# Altium PCB ECUv2.PcbDoc
Units mil, origin at the board's own origin, x right, y up, seen from the top; angles counter-clockwise.
Board outline 2080 x 3850 mil, 2 copper layers (Top Layer, Bottom Layer); 73 components, 40 nets, 209 pads, 30 vias.
Unrouted connection lines stored in the file: 3.
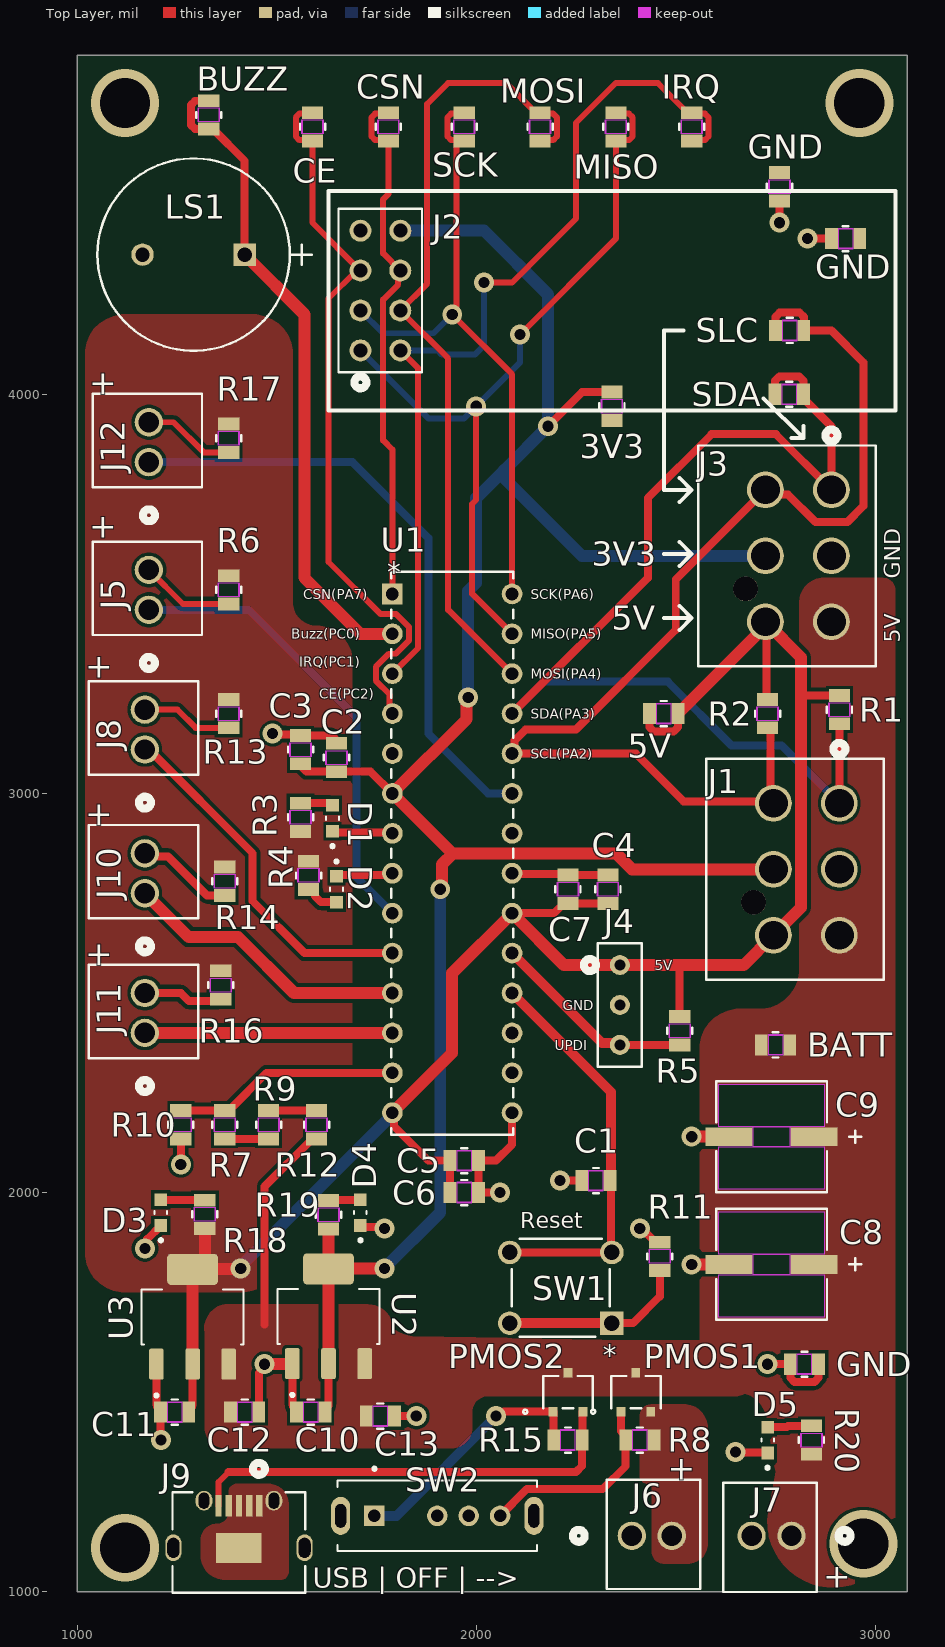
[diagram p0: Top Layer view]
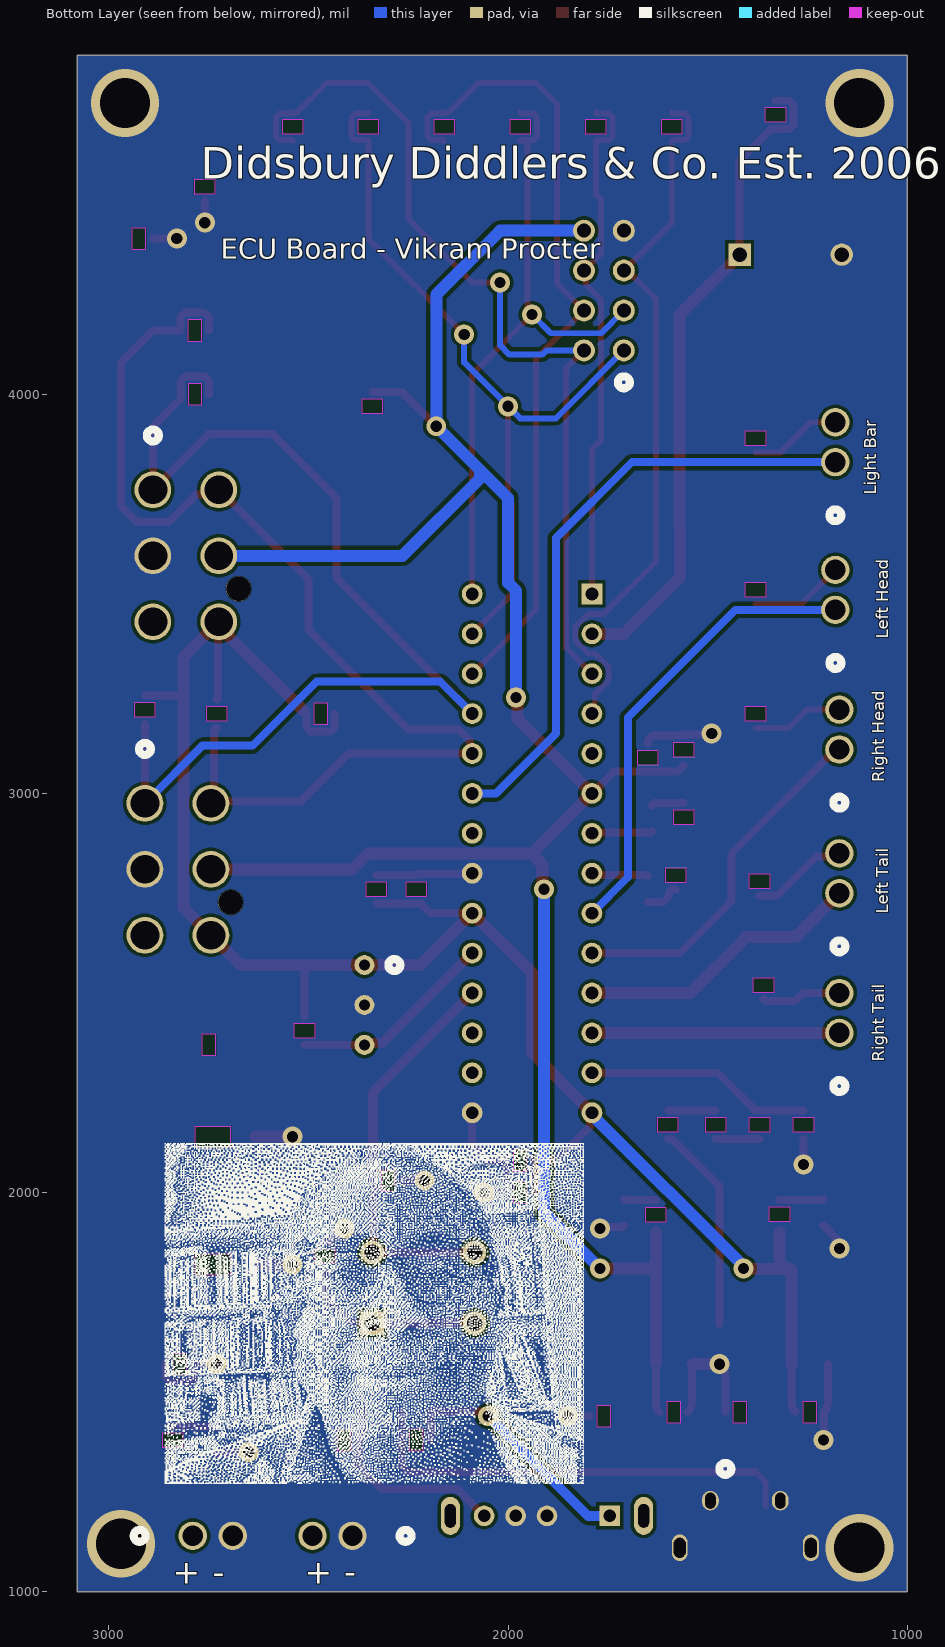
[diagram p1: Bottom Layer view, seen from below]
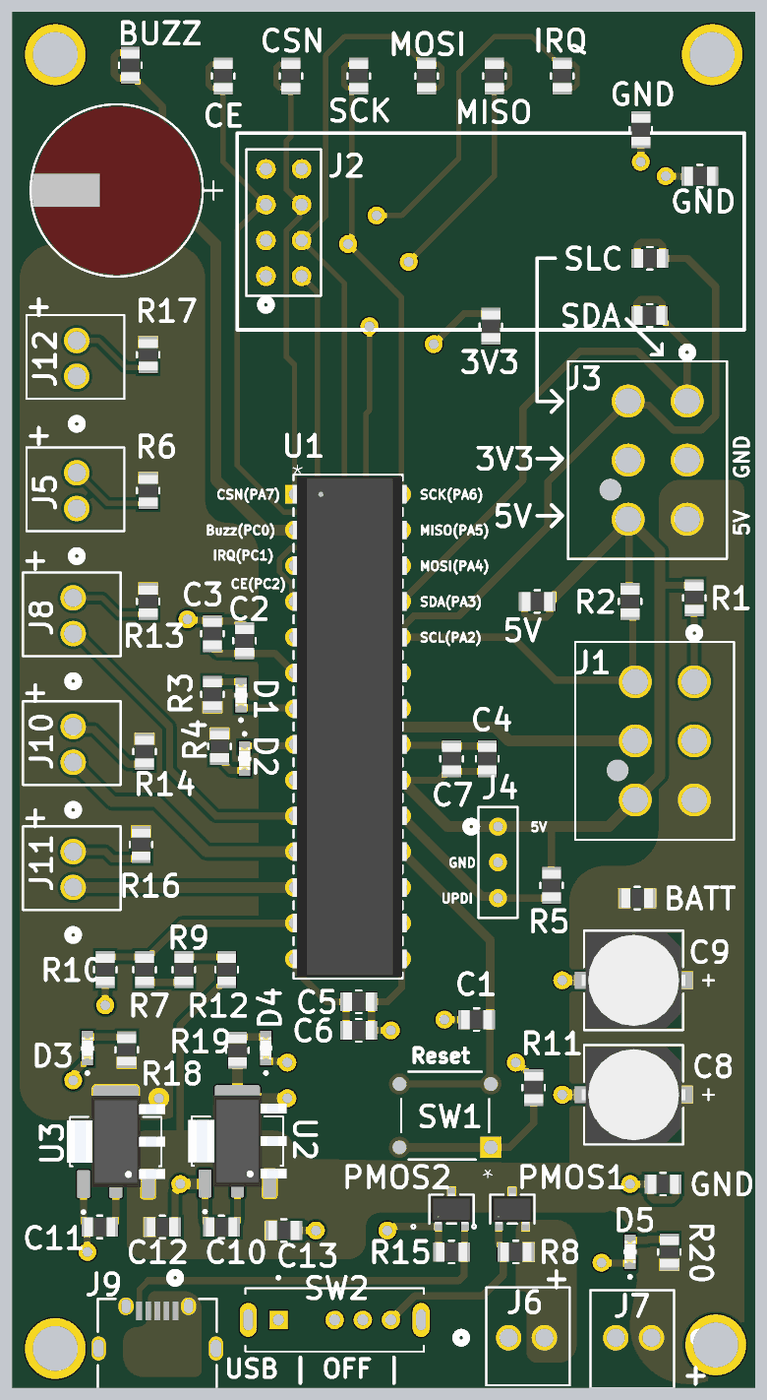
[diagram p2: 3D render of the assembled board from above, using the file's embedded part models]

## Layer stack, top to bottom
Top Solder: solder mask 0.4, Solder Resist, Dk 3.5
Top Layer: signal copper 1.4
Dielectric 1: dielectric 12.6, FR-4, Dk 4.8
Bottom Layer: signal copper 1.4
Bottom Solder: solder mask 0.4, Solder Resist, Dk 3.5

## Board outline
1000,1000 3080,1000 3080,4850 1000,4850

## Design rules (kind name [scope] priority, off if disabled: settings)
Clearance [All] p1: gap=8 ignorepadtopadclearanceinfootprint=TRUE except(1: Arc-Text Track-Text SMDPad-Via SMDPad-Fill SMDPad-Region SMDPad-Text SMDPad-Hole THPad-Text THPad-Hole Via-Text Fill-Fill Fill-Poly Fill-Region Fill-Text Fill-Hole Poly-Poly Poly-Region Poly-Text Poly-Hole Region-Region Region-Text Region-Hole Text-Text Text-Hole; 10: Arc-Poly Track-Poly)
PlaneConnect [All] p1: planeconnectstyle=Direct reliefexpansion=20 reliefentries=4 reliefconductorwidth=10 reliefairgap=10
PolygonConnect [All] p1: connectstyle=Direct reliefconductorwidth=10 reliefentries=4 polygonreliefangle="90 Angle" airgapwidth=10
RoutingVias [All] p1: holewidth=28 width=50 viastyle="Through Hole" minholewidth=28 minwidth=50 maxholewidth=28 maxwidth=50
SilkToSolderMaskClearance [IsPad] p1: minsilkscreentomaskgap=1 clearancetoexposedcopper=FALSE
SolderMaskExpansion [All] p1: expansion=4 istentingtop=FALSE
SupplyNets "Schematic Supply Nets_5" [InNet('Vbatt')] p1: voltage=0.000
SupplyNets "Schematic Supply Nets_4" [InNet('GND')] p2: voltage=0.000
SupplyNets "Schematic Supply Nets_3" [InNet('5V')] p3: voltage=0.000
SupplyNets "Schematic Supply Nets_2" [InNet('3V3')] p4: voltage=0.000
Width [All] p1: maxlimit=100 minlimit=10 preferedwidth=15
28 further rules are at their usual default settings.

## Components (designator, comment, footprint, x,y, rotation, side; value= is the part's Value field where it differs from the comment)
3V3 "TP" "RES 0805" 2340,3970 r90 top value=0R (schematic designator TP8)
5V "TP" "RES 0805" 2470,3200 r180 top value=0R (schematic designator TP5)
BATT "TP" "RES 0805" 2750,2370 r180 top value=0R (schematic designator TP2)
BUZZ "TP" "RES 0805" 1330,4700 r270 top value=0R (schematic designator TP15)
C1 "1uF" "RES 0805" 2300,2030 r180 top
C2 "1uF" "RES 0805" 1650,3090 r270 top
C3 "0.1uF" "RES 0805" 1560,3110 r270 top value=100nF
C4 "1uF" "RES 0805" 2330,2760 r270 top
C5 "1uF" "RES 0805" 1970,2080 r0 top
C6 "0.1uF" "RES 0805" 1970,2000 r180 top value=100nF
C7 "0.1uF" "RES 0805" 2230,2760 r270 top value=100nF
C8 "47uF" "CAP ELC 47uF" 2740,1820 r180 top
C9 "47uF" "CAP ELC 47uF" 2740,2140 r180 top
C10 "4.7uF" "RES 0805" 1585.5,1450 r0 top
C11 "4.7uF" "RES 0805" 1244.5,1450 r0 top
C12 "1uF" "RES 0805" 1420,1450 r180 top
C13 "1uF" "RES 0805" 1760,1440 r180 top
CE "TP" "RES 0805" 1590,4670 r270 top value=0R (schematic designator TP7)
CSN "TP" "RES 0805" 1780,4670 r90 top value=0R (schematic designator TP14)
D1 "red" 0603LED 1640,2937.5 r90 top
D2 "green" 0603LED 1650,2760 r270 top
D3 "green" 0603LED 1210,1950 r90 top
D4 "green" 0603LED 1710,1950 r90 top
D5 "green" 0603LED 2730,1380 r90 top
GND "TP" "RES 0805" 2925.5,4390 r180 top value=0R (schematic designator TP9)
GND "TP" "RES 0805" 2822.5,1570 r180 top value=0R (schematic designator TP6)
GND "TP" "RES 0805" 2760,4520 r90 top value=0R (schematic designator TP3)
IRQ "TP" "RES 0805" 2540,4670 r90 top value=0R (schematic designator TP10)
J1 "Molex2125201006" Molex2125201006 2910,2975.35 r90 top
J2 "8pos215307-4" 215307-4 1710,4110 r90 top
J3 "Molex2125201006" Molex2125201006 2890,3760.71 r90 top
J4 "2.54mm" "HEAD 2.54mm 3pos" 2360,2470 r270 top
J5 "2.54mm" "CON screw 2pos 2.54mm" 1180,3460 r90 top
J6 "2.54mm" "CON screw 2pos 2.54mm" 2390,1140 r0 top
J7 "2.54mm" "CON screw 2pos 2.54mm" 2790,1140 r180 top
J8 "2.54mm" "CON screw 2pos 2.54mm" 1170,3110 r90 top
J9 "micro ab" "USB micro ab 0475900001" 1405.63,1307.77 r0 top
J10 "2.54mm" "CON screw 2pos 2.54mm" 1170,2750 r90 top
J11 "2.54mm" "CON screw 2pos 2.54mm" 1170,2400 r90 top
J12 "2.54mm" "CON screw 2pos 2.54mm" 1180,3830 r90 top
LS1 "BuzzerCEM-120342" CEM-1203(42) 1420,4350 r180 top
MISO "TP" "RES 0805" 2350,4670 r90 top value=0R (schematic designator TP1)
MOSI "TP" "RES 0805" 2160,4670 r90 top value=0R (schematic designator TP12)
PMOS1 "6A" "SOT-23F MOS PMOS 30V 6A" 2400,1500 r0 top
PMOS2 "6A" "SOT-23F MOS PMOS 30V 6A" 2230,1500 r0 top
R1 "3.9k" "RES 0805" 2910,3210 r90 top value=3.92kR
R2 "3.9k" "RES 0805" 2730,3200 r90 top value=3.92kR
R3 "150" "RES 0805" 1560,2940 r90 top value=150R
R4 "150" "RES 0805" 1580,2794.5 r270 top value=150R
R5 "1.4k" "RES 0805" 2510,2405.5 r90 top value=1.4kR
R6 "150" "RES 0805" 1380,3510 r90 top value=150R
R7 "3.9k" "RES 0805" 1370,2170 r90 top value=3.92kR
R8 "10k" "RES 0805" 2410,1380 r180 top value=10kR
R9 "18.7k" "RES 0805" 1480,2170 r90 top value=18.7kR
R10 "41.2K" "RES 0805" 1260,2170 r90 top value=41.2kR
R11 "330" "RES 0805" 2460,1840 r90 top value=330R
R12 "41.2K" "RES 0805" 1600,2170 r270 top value=41.2kR
R13 "150" "RES 0805" 1380,3200 r90 top value=150R
R14 "150" "RES 0805" 1370,2780 r90 top value=150R
R15 "10k" "RES 0805" 2230,1380 r180 top value=10kR
R16 "150" "RES 0805" 1360,2520 r90 top value=150R
R17 "150" "RES 0805" 1380,3890 r90 top value=150R
R18 "150" "RES 0805" 1320,1945.5 r90 top value=150R
R19 "150" "RES 0805" 1630,1944.5 r90 top value=150R
R20 "1.4k" "RES 0805" 2840,1380 r90 top value=1.4kR
SCK "TP" "RES 0805" 1970,4670 r90 top value=0R (schematic designator TP4)
SDA "TP" "RES 0805" 2784.5,4000 r180 top value=0R (schematic designator TP11)
SLC "TP" "RES 0805" 2785.5,4160 r0 top value=0R (schematic designator TP13)
SW1 "Button1825910-6" Button1825910-6 2084.09,1850 r180 top
SW2 "300mA" "Switch On-On-On 300mA SLW-1277545-2A-RA-S-D" 1902.52,1190 r0 top
U1 "AVR128DB28-I/SP" AVR128DB28-ISP 1790,3500 r0 top
U2 "LDL1117S33R" SOT230P700X180-4N 1630,1690 r90 top
U3 "LDL1117S50R" SOT230P700X180-4N 1289.45,1688.7 r90 top

## Footprints (in the part's own frame and the unit in brackets; to place one, negate y for a bottom-side part, rotate by r counter-clockwise, add the part's x,y. Pads: shape width x height; smd on the part's side, far side on the other; paste and mask are expansions set on the pad)
0603LED [mm]
  rect 0.8x0.8 smd: A(0.825,0) C(-0.825,0)
  silkscreen extent -1.86,-0.4 0.11,0.4, body extent -0.8,-0.4 0.8,0.4, height 0.55
215307-4 [mil]
  round 55 / inner round 60 / far side round 55 hole 35 paste-99999 mask+2: 1(0,0) 2(100,0) 3(200,0) 4(300,0) 5(300,-100) 6(200,-100) 7(100,-100) 8(0,-100)
  silkscreen extent -95,-154 355,55
AVR128DB28-ISP [mil]
  rect 52x52 / inner round 60 / far side rect 52x52 hole 32 paste-99999 mask+0: 1(0,0)
  round 52 / inner round 60 / far side round 52 hole 32 paste-99999 mask+0: 2(0,-100) 3(0,-200) 4(0,-300) 5(0,-400) 6(0,-500) 7(0,-600) 8(0,-700) 9(0,-800) 10(0,-900) 11(0,-1000) 12(0,-1100) 13(0,-1200) 14(0,-1300) 15(300,-1300) 16(300,-1200) 17(300,-1100) 18(300,-1000) 19(300,-900) 20(300,-800) 21(300,-700) 22(300,-600) 23(300,-500) 24(300,-400) 25(300,-300) 26(300,-200) 27(300,-100) 28(300,0)
  silkscreen extent -2,-1355 302,55, body extent -5,-1350 314,50, height 205
Button1825910-6 [mil]
  rect 59x59 / inner round 60 / far side rect 59x59 hole 39 paste-99999 mask+0: 1(-255.91,177.17)
  round 59 / inner round 60 / far side round 59 hole 39 paste-99999 mask-29.5: 2(0,177.17) 3(-255.91,0) 4(0,0)
  silkscreen extent -251,-34 -5,212
"CAP ELC 47uF" [mil] "UWT1H470MCL1GS"
  rect 118x47 smd paste+0 mask+2: 1(-106.5,0) 2(106.5,0)
  Top Layer keep-out region: -45.5,-25.5 -45.5,25.5 45.5,25.5 45.5,-25.5
  Top Layer keep-out region: -132,-132 -132,-25.5 132,-25.5 132,-132
  Top Layer keep-out region: -132,25.5 -132,132 132,132 132,25.5
  Keep-Out Layer region: -45.5,-25.5 -45.5,25.5 45.5,25.5 45.5,-25.5
  silkscreen extent -224,-139 139,139, body extent -146,-134 146,134, height 317
CEM-1203(42) [mil]
  rect 56x56 / inner round 60 / far side rect 56x56 hole 36 paste-99999 mask+4: 1(0,0)
  round 56 / inner round 60 / far side round 56 hole 36 paste-99999 mask+4: 2(255.91,0)
  silkscreen extent -168,-241 369,241, body extent -108,-236 365,236, height 336
"CON screw 2pos 2.54mm" [mil]
  round 71 / inner round 60 / far side round 71 hole 51 paste-99999 mask+0: 1(0,0) 2(100,0)
  silkscreen extent -148,-133 171,141
"HEAD 2.54mm 3pos" [mil]
  round 50 / inner round 60 / far side round 50 hole 28 paste-99999 mask+0: 1(-100,0) 2(0,0) 3(100,0)
  silkscreen extent -155,-90 155,55
Molex2125201006 [mil]
  round 92 / inner round 60 / far side round 92 hole 72 paste-99999 mask+0: 1(0,0) 2(-165.35,0) 3(-330.71,0) 4(0,165.35) 5(-165.35,165.35) 6(-330.71,165.35)
  round 62 / inner round 60 / far side round 62 hole 62 unplated paste-99999 mask-31: 7(-248.03,214.96)
  silkscreen extent -442,-111 151,334
"RES 0805" [mil]
  rect 32x53 smd paste+0 mask+2: 1(-35.5,0) 2(35.5,0)
  Top Layer keep-out region: -17.5,-24.5 -17.5,24.5 17.5,24.5 17.5,-24.5
  Keep-Out Layer region: -17.5,-26.5 -17.5,26.5 17.5,26.5 17.5,-26.5
  silkscreen extent -7,-32 7,32, body extent -44,-26 44,26, height 26
SOT230P700X180-4N [mm]
  rrect25% 1.98x0.93 smd: 1(-3.015,2.3) 2(-3.015,0) 3(-3.015,-2.3)
  rrect25% 1.98x3.23 smd: 4(3.015,0)
  silkscreen extent -5.1,-3.25 1.75,3.25, body extent -3.25,-3.5 3.25,3.5, height 1.8
"SOT-23F MOS PMOS 30V 6A" [mil]
  rect 22x24 smd paste+0 mask+2: 1(-37.4,-49) 2(37.4,-49) 3(0,49)
  silkscreen extent -112,-54 62,40, body extent -57,-43 57,43, height 37
"Switch On-On-On 300mA SLW-1277545-2A-RA-S-D" [mm]
  rect 1.308x1.308 / inner round 1.308 / far side rect 1.308x1.308 hole 0.8: 1(-4,0)
  round 1.308 hole 0.8: 2(0,0) 3(2,0) 4(4,0)
  oval 1.208x2.416 hole 0.7 slot 1.5 at 90 deg: SH1(-6.15,0) SH2(6.15,0)
  silkscreen extent -6.35,-2.25 6.35,3.1
"USB micro ab 0475900001" [mil]
  rect 16x53 smd paste+0 mask+0: 1(51.18,-92.46) 2(25.59,-92.46) 3(0,-92.46) 4(-25.59,-92.46) 5(-51.18,-92.46)
  oval 42x49 / inner round 60 / far side oval 42x49 hole 26 slot 40 at 90 deg paste-99999 mask+0: 6(-87.6,-79.66) 7(87.6,-79.66)
  oval 40x67 / inner round 60 / far side oval 40x67 hole 30 slot 50 at 90 deg paste-99999 mask+0: 8(-164.37,-197.77) 9(164.37,-197.77)
  rect 114x75 smd paste-57 mask-57: 10(0,-197.77)
  silkscreen extent -166,-311 166,15

## Part data
3V3 5V BATT BUZZ CE CSN GND GND GND IRQ MISO MOSI SCK SDA SLC: library part "TP clip 0805 RCTCTE", "Testing/Accessories", Case/Package=0805, Manufacturer="KOA Speer", Manufacturer Part Number=RCTCTE, Max Operating Temperature=125°C, Min Operating Temperature=-55°C, Package Height=1.45mm, Package Length=2mm, Package Shape=Rectangular, Package Width=1.25mm, Rated Temperature=70°C, Resistor Type="FIXED RESISTOR", Supplier Part Number=2019-RCTCTECT-ND, Category="Chip SMD Resistors", ComponentLink1Description=https://datasheet.ciiva.com:443/pdfs/VipMasterIC/IC/KOAS/KOASS03065/KOASS03065-1.pdf?src-supplier=IHS+Markit, ComponentLink1URL=https://datasheet.ciiva.com:443/pdfs/VipMasterIC/IC/KOAS/KOASS03065/KOASS03065-1.pdf?src-supplier=IHS+Markit, ComponentLink2Description=https://datasheet.ciiva.com/5562/rc-5562502.pdf?src-supplier=Mouser, ComponentLink2URL=https://datasheet.ciiva.com/5562/rc-5562502.pdf?src-supplier=Mouser, Construction=Chip, JESD-609 Code=e2, Mounting Technology="Surface Mount", Packaging="Tape and Reel", Pins=2, Pricing="1=0.14, 10=0.111, 25=0.1024, 50=0.096, 100=0.0904, 250=0.08328, 500=0.0783, 1000=0.07363 (USD)", Reach SVHC Compliant=Yes, Reference Standard=AEC-Q200, RoHS=Yes, RoHS Compliant=Yes, Stock=45761, Supplier=Digikey, Terminal Finish=Copper, Termination=Wraparound
C1 C2 C4 C5 C12 C13: library part "CAP CER 1uF 10% 50V 0805", "Ceramic Capacitor, Multilayer, Ceramic, 50V, 10% +Tol, 10% -Tol, X7R, 15% TC, 1uF, Surface Mount, 0805", Capacitor Type=Ceramic, Case/Package=0805, Manufacturer=Samsung, Manufacturer Part Number=CL21B105KBFNNNE, Max Operating Temperature=125°C, Min Operating Temperature=-55°C, Package Shape=Rectangular, Package Style=SMTMeter, Rated DC Voltage (URdc)=50V, Supplier Part Number=1276-1029-1-ND, Temperature Characteristics Code=X7R, Tolerance  (fill in as +-)=10%, Category="Ceramic Capacitors", ComponentLink1Description=https://datasheet.ciiva.com:443/pdfs/VipMasterIC/IC/SEMS/SEMS-S-A0008524728/SEMS-S-A0008523023-1.pdf?src-supplier=IHS+Markit, ComponentLink1URL=https://datasheet.ciiva.com:443/pdfs/VipMasterIC/IC/SEMS/SEMS-S-A0008524728/SEMS-S-A0008523023-1.pdf?src-supplier=IHS+Markit, ComponentLink2Description=https://datasheet.ciiva.com/25800/cl21b105kbfnnne-25800291.pdf?src-supplier=Digikey, ComponentLink2URL=https://datasheet.ciiva.com/25800/cl21b105kbfnnne-25800291.pdf?src-supplier=Digikey, ComponentLink3Description=https://datasheet.ciiva.com/16449/cl21b105kbfnnne-16449003.pdf?src-supplier=Future+Electronics, ComponentLink3URL=https://datasheet.ciiva.com/16449/cl21b105kbfnnne-16449003.pdf?src-supplier=Future+Electronics, Dielectric Material=Ceramic, Height=1.35mm, JESD-609 Code=e3, Length=2mm, Mounting Technology="Surface Mount", Multilayer=Yes, Packaging="Tape and Reel", Pins=2, Pricing="1=0.1, 10=0.051, 100=0.0321, 1000=0.02181 (USD)", Reach SVHC Compliant=Yes, RoHS=Yes, RoHS Compliant=Yes, Stock=572828, Supplier=Digikey, Terminal Finish=Nickel, Termination=Wraparound, Tolerance (fill in as +-)=10%, Width=1.25mm
C3 C6 C7: library part "CAP CER 0.1uF 10% 50V 0805", "Ceramic Capacitor, Multilayer, Ceramic, 50V, 10% +Tol, 10% -Tol, X7R, 15% TC, 0.1uF, Surface Mount, 0805", Capacitor Type=Ceramic, Case/Package=0805, Manufacturer=Yageo, Manufacturer Part Number=CC0805KRX7R9BB104, Max Operating Temperature=125°C, Min Operating Temperature=-55°C, Package Shape=Rectangular, Package Style=SMTMeter, Rated DC Voltage (URdc)=50V, Supplier Part Number=311-1140-1-ND, Temperature Characteristics Code=X7R, Tolerance  (fill in as +-)=10%, Category="Ceramic Capacitors", ComponentLink1Description=https://datasheet.ciiva.com:443/pdfs/VipMasterIC/IC/YAGO/YAGO-S-A0003557223/YAGO-S-A0003557223-1.pdf?src-supplier=IHS+Markit, ComponentLink1URL=https://datasheet.ciiva.com:443/pdfs/VipMasterIC/IC/YAGO/YAGO-S-A0003557223/YAGO-S-A0003557223-1.pdf?src-supplier=IHS+Markit, ComponentLink2Description=https://datasheet.ciiva.com/11786/0900766b80d84f1d-11786009.pdf?src-supplier=Rs, ComponentLink2URL=https://datasheet.ciiva.com/11786/0900766b80d84f1d-11786009.pdf?src-supplier=Rs, ComponentLink3Description=https://datasheet.ciiva.com/155/mlccorderingcode-155929.pdf?src-supplier=Digikey, ComponentLink3URL=https://datasheet.ciiva.com/155/mlccorderingcode-155929.pdf?src-supplier=Digikey, ComponentLink4Description=https://datasheet.ciiva.com/155/mlccorderingcode-155930.pdf?src-supplier=Digikey, ComponentLink4URL=https://datasheet.ciiva.com/155/mlccorderingcode-155930.pdf?src-supplier=Digikey, ComponentLink5Description=https://datasheet.ciiva.com/155/mlccorderingcode-155931.pdf?src-supplier=Digikey, ComponentLink5URL=https://datasheet.ciiva.com/155/mlccorderingcode-155931.pdf?src-supplier=Digikey, ComponentLink6Description=https://datasheet.ciiva.com/46393/1734573-46393307.pdf?src-supplier=Element14, ComponentLink6URL=https://datasheet.ciiva.com/46393/1734573-46393307.pdf?src-supplier=Element14, ComponentLink7Description=https://datasheet.ciiva.com/28450/1489800-28450805.pdf?src-supplier=Element14, ComponentLink7URL=https://datasheet.ciiva.com/28450/1489800-28450805.pdf?src-supplier=Element14, ComponentLink8Description=https://datasheet.ciiva.com/11464/upy-gphc-x7r-6-3v-to-50v-8-11464757.pdf?src-supplier=Avnet, ComponentLink8URL=https://datasheet.ciiva.com/11464/upy-gphc-x7r-6-3v-to-50v-8-11464757.pdf?src-supplier=Avnet, ComponentLink9Description=https://datasheet.ciiva.com/29242/445210-da-01-en-kerko-chip-0805-x7r-0-1uf-10proz-50vg-29242074.pdf?src-supplier=Conrad, ComponentLink9URL=https://datasheet.ciiva.com/29242/445210-da-01-en-kerko-chip-0805-x7r-0-1uf-10proz-50vg-29242074.pdf?src-supplier=Conrad, Dielectric Material=Ceramic, Height=0.85mm, JESD-609 Code=e3, Length=2mm, Mounting Technology="Surface Mount", Multilayer=Yes, Packaging="Tape and Reel", Pins=2, Pricing="1=0.08, 10=0.021, 100=0.0152, 1000=0.0144, 4000=0.0112, 8000=0.0104, 12000=0.01, 20000=0.00985 (USD)", Reach SVHC Compliant=Yes, RoHS=Yes, RoHS Compliant=Yes, Stock=3691132, Supplier=Digikey, Terminal Finish=Nickel, Termination=Wraparound, Tolerance (fill in as +-)=10%, Width=1.25mm
C8 C9: library part "CAP ELCALUM 47uF 20% 50V", "Aluminum Electrolytic Capacitor, Polarized, Aluminum (wet), 50V, 20% +Tol, 20% -Tol, 47uF, Surface Mount, 2626", Capacitor Type=Aluminium, Case/Package=2626, Leakage Current=23.5uA, Manufacturer=Nichicon, Manufacturer Part Number=UWT1H470MCL1GS, Max Operating Temperature=105°C, Min Operating Temperature=-55°C, Package Shape=Cylindrical, Package Style=SMTMeter, Rated DC Voltage (URdc)=50V, Ripple Current=63mA, Supplier Part Number=493-2225-1-ND, Tolerance  (fill in as +-)=20%, Category="Aluminum Electrolytic Capacitors", ComponentLink1Description=https://datasheet.ciiva.com:443/pdfs/VipMasterIC/IC/NICH/NICH-S-A0009252174/NICH-S-A0009252174-1.pdf?src-supplier=IHS+Markit, ComponentLink1URL=https://datasheet.ciiva.com:443/pdfs/VipMasterIC/IC/NICH/NICH-S-A0009252174/NICH-S-A0009252174-1.pdf?src-supplier=IHS+Markit, ComponentLink2Description=https://datasheet.ciiva.com/11777/0900766b80649b51-11777944.pdf?src-supplier=Rs, ComponentLink2URL=https://datasheet.ciiva.com/11777/0900766b80649b51-11777944.pdf?src-supplier=Rs, ComponentLink3Description=https://datasheet.ciiva.com/30522/getdatasheetpartid-450029-30522236.pdf?src-supplier=Verical, ComponentLink3URL=https://datasheet.ciiva.com/30522/getdatasheetpartid-450029-30522236.pdf?src-supplier=Verical, ComponentLink4Description=https://datasheet.ciiva.com/96/e-wt-96728.pdf?src-supplier=Digikey, ComponentLink4URL=https://datasheet.ciiva.com/96/e-wt-96728.pdf?src-supplier=Digikey, ComponentLink5Description=https://datasheet.ciiva.com/96/e-wt-96729.pdf?src-supplier=Digikey, ComponentLink5URL=https://datasheet.ciiva.com/96/e-wt-96729.pdf?src-supplier=Digikey, ComponentLink6Description=https://datasheet.ciiva.com/96/e-wt-96730.pdf?src-supplier=Digikey, ComponentLink6URL=https://datasheet.ciiva.com/96/e-wt-96730.pdf?src-supplier=Digikey, ComponentLink7Description=https://datasheet.ciiva.com/11687/e-wt-11687610.pdf?src-supplier=Avnet, ComponentLink7URL=https://datasheet.ciiva.com/11687/e-wt-11687610.pdf?src-supplier=Avnet, ComponentLink8Description=https://datasheet.ciiva.com/16512/e-wt-16512663.pdf?src-supplier=Future+Electronics, ComponentLink8URL=https://datasheet.ciiva.com/16512/e-wt-16512663.pdf?src-supplier=Future+Electronics, Dielectric Material=Aluminium, Height=7.7mm, JESD-609 Code=e6, Length=7mm, Mounting Technology="Surface Mount", Packaging="Tape and Reel", Pins=2, Polarity=Polarized, Pricing="1=0.42, 10=0.258, 50=0.1948, 100=0.1747 (USD)", Reach SVHC Compliant=No, RoHS=Yes, RoHS Compliant=Yes, Stock=52254, Supplier=Digikey, Tan Delta=0.14, Terminal Finish=Tin, Termination="One Surface", Tolerance (fill in as +-)=20%, Width=6.6mm
C10 C11: library part "CAP CER 4.7uF 10% 25V 0805", "Ceramic Capacitor, Multilayer, Ceramic, 25V, 10% +Tol, 10% -Tol, X5R, 15% TC, 4.7uF, Surface Mount, 0805", Capacitor Type=Ceramic, Case/Package=0805, Manufacturer=Samsung, Manufacturer Part Number=CL21A475KAQNNNE, Max Operating Temperature=85°C, Min Operating Temperature=-55°C, Package Shape=Rectangular, Package Style=SMTMeter, Rated DC Voltage (URdc)=25V, Supplier Part Number=1276-1244-1-ND, Temperature Characteristics Code=X5R, Tolerance  (fill in as +-)=10%, Category="Ceramic Capacitors", ComponentLink1Description=https://www.digikey.ca/en/products/detail/samsung-electro-mechanics/CL21A475KAQNNNE/3886902, ComponentLink2Description=https://datasheet.ciiva.com:443/pdfs/VipMasterIC/IC/SEMS/SEMS-S-A0008528919/SEMS-S-A0008528938-1.pdf?src-supplier=IHS+Markit, ComponentLink2URL=https://datasheet.ciiva.com:443/pdfs/VipMasterIC/IC/SEMS/SEMS-S-A0008528919/SEMS-S-A0008528938-1.pdf?src-supplier=IHS+Markit, ComponentLink3Description=https://datasheet.ciiva.com/25798/cl21a475kaqnnne-25798882.pdf?src-supplier=Digikey, ComponentLink3URL=https://datasheet.ciiva.com/25798/cl21a475kaqnnne-25798882.pdf?src-supplier=Digikey, Dielectric Material=Ceramic, Height=1.4mm, JESD-609 Code=e3, Length=2mm, Mounting Technology="Surface Mount", Multilayer=Yes, Packaging="Tape and Reel", Pins=2, Pricing="1=0.1, 10=0.048, 100=0.03, 1000=0.02035 (USD)", Reach SVHC Compliant=Yes, RoHS=Yes, RoHS Compliant=Yes, Stock=2691488, Supplier=Digikey, Terminal Finish=Nickel, Termination=Wraparound, Tolerance (fill in as +-)=10%, Width=1.25mm
D1: library part "LED redSML-D12U1WT86", "Single Color LED, Red, Diffused Milky White, 1.2mm", Color=Red, Forward Current=20mA, Manufacturer=Rohm, Manufacturer Part Number=SML-D12U1WT86, Max Operating Temperature=85°C, Min Operating Temperature=-40°C, Reverse Voltage-Max=5V, Supplier Part Number=SML-D12U1WT86CT-ND, Category=LEDs, Channels=1, Color@wavelength=Red, ComponentLink1Description=https://datasheet.ciiva.com:443/pdfs/VipMasterIC/IC/ROHM/ROHM-S-A0002134492/ROHM-S-A0002134492-1.pdf?src-supplier=IHS+Markit, ComponentLink1URL=https://datasheet.ciiva.com:443/pdfs/VipMasterIC/IC/ROHM/ROHM-S-A0002134492/ROHM-S-A0002134492-1.pdf?src-supplier=IHS+Markit, ComponentLink2Description=https://www.rohm.com/datasheet/SML-D12U1W?src-supplier=Digikey, ComponentLink2URL=https://www.rohm.com/datasheet/SML-D12U1W?src-supplier=Digikey, ComponentLink3Description=https://datasheet.octopart.com/SML-D12U1WT86-Rohm-datasheet-68298509.pdf?src-supplier=Future+Electronics, ComponentLink3URL=https://datasheet.octopart.com/SML-D12U1WT86-Rohm-datasheet-68298509.pdf?src-supplier=Future+Electronics, ComponentLink4Description=https://datasheet.octopart.com/SML-D12U1WT86-ROHM-datasheet-142144710.pdf?src-supplier=TME, ComponentLink4URL=https://datasheet.octopart.com/SML-D12U1WT86-ROHM-datasheet-142144710.pdf?src-supplier=TME, ComponentLink5Description=https://datasheet.ciiva.com:443/pdfs/VipMasterIC/IC/ROHM/ROHMS10041/ROHMS10041-1.pdf?src-supplier=IHS+Markit, ComponentLink5URL=https://datasheet.ciiva.com:443/pdfs/VipMasterIC/IC/ROHM/ROHMS10041/ROHMS10041-1.pdf?src-supplier=IHS+Markit, ComponentLink6Description=https://datasheet.ciiva.com/11774/0900766b80df3ada-11774020.pdf?src-supplier=Rs, ComponentLink6URL=https://datasheet.ciiva.com/11774/0900766b80df3ada-11774020.pdf?src-supplier=Rs, ComponentLink7Description=https://datasheet.ciiva.com/9324/sml-d1-9324826.pdf?src-supplier=Avnet, ComponentLink7URL=https://datasheet.ciiva.com/9324/sml-d1-9324826.pdf?src-supplier=Avnet, ComponentLink8Description=https://datasheet.ciiva.com/2110/sml-d1-2110375.pdf?src-supplier=Digikey, ComponentLink8URL=https://datasheet.ciiva.com/2110/sml-d1-2110375.pdf?src-supplier=Digikey, ComponentLink9Description=https://datasheet.ciiva.com/2110/sml-d1-2110376.pdf?src-supplier=Digikey, ComponentLink9URL=https://datasheet.ciiva.com/2110/sml-d1-2110376.pdf?src-supplier=Digikey, ComponentLink10Description=https://datasheet.ciiva.com/2110/sml-d1-2110377.pdf?src-supplier=Digikey, ComponentLink10URL=https://datasheet.ciiva.com/2110/sml-d1-2110377.pdf?src-supplier=Digikey, JESD-609 Code=e4, Lens Style="MILKY WHITE", Luminous Intensity-Nom=63mcd, Mounting Technology="Surface Mount", Optoelectronic Device Type="SINGLE COLOR LED", Overall Height=0.55mm, Packaging="Tape and Reel", Pins=2, Pricing="1=0.12, 10=0.081, 100=0.0556, 500=0.0438, 1000=0.03986 (USD)", Reach SVHC Compliant=Yes, RoHS=Yes, RoHS Compliant=Yes, Shape=Rectangular, Size=1.2mm, Stock=145541, Supplier=Digikey, Terminal Finish=Gold, Terminal Pitch=1.65mm
D2 D3 D4 D5: library part "LED greenSML-D12P8WT86", "Single Color LED, Pure Green, Diffused Milky White, 1.2mm", Color=Green, Forward Current=20mA, Manufacturer=Rohm, Manufacturer Part Number=SML-D12P8WT86, Max Operating Temperature=85°C, Min Operating Temperature=-40°C, Reverse Voltage-Max=5V, Supplier Part Number=846-SML-D12P8WT86CT-ND, Category=LEDs, Channels=1, Color@wavelength=Green, ComponentLink1Description=https://datasheet.ciiva.com:443/pdfs/VipMasterIC/IC/ROHM/ROHMS10041/ROHMS10041-1.pdf?src-supplier=IHS+Markit, ComponentLink1URL=https://datasheet.ciiva.com:443/pdfs/VipMasterIC/IC/ROHM/ROHMS10041/ROHMS10041-1.pdf?src-supplier=IHS+Markit, ComponentLink2Description=https://datasheet.ciiva.com/2110/sml-d1-2110417.pdf?src-supplier=Digikey, ComponentLink2URL=https://datasheet.ciiva.com/2110/sml-d1-2110417.pdf?src-supplier=Digikey, ComponentLink3Description=https://datasheet.ciiva.com/16488/rohm20sml-d12p8wt86-16488100.pdf?src-supplier=Future+Electronics, ComponentLink3URL=https://datasheet.ciiva.com/16488/rohm20sml-d12p8wt86-16488100.pdf?src-supplier=Future+Electronics, ComponentLink4Description=https://datasheet.ciiva.com/2110/sml-d1-2110418.pdf?src-supplier=Digikey, ComponentLink4URL=https://datasheet.ciiva.com/2110/sml-d1-2110418.pdf?src-supplier=Digikey, ComponentLink5Description=https://datasheet.ciiva.com/2110/sml-d1-2110419.pdf?src-supplier=Digikey, ComponentLink5URL=https://datasheet.ciiva.com/2110/sml-d1-2110419.pdf?src-supplier=Digikey, ComponentLink6Description=https://datasheet.ciiva.com/3161/sml-d1-3161420.pdf?src-supplier=Avnet, ComponentLink6URL=https://datasheet.ciiva.com/3161/sml-d1-3161420.pdf?src-supplier=Avnet, JESD-609 Code=e4, Lens Style=Diffused, Luminous Intensity-Nom=6.3mcd, Mounting Technology="Surface Mount", Optoelectronic Device Type="SINGLE COLOR LED", Overall Height=0.55mm, Packaging="Tape and Reel", Pins=2, Pricing="1=0.14, 10=0.094, 100=0.0648, 500=0.05124, 1000=0.04672 (USD)", Reach SVHC Compliant=Yes, RoHS=Yes, RoHS Compliant=Yes, Shape=Rectangular, Size=1.2mm, Stock=24850, Supplier=Digikey, Terminal Finish=Gold, Terminal Pitch=1.65mm
J1 J3: "Connector Power Header 6 Position 4.2mm Solder Through Hole Tray", Manufacturer=Molex, Manufacturer Part Number=212520-1006, Category=Connectors, Pricing="1=1.083 (USD)", RoHS=No, Stock=2143, Supplier="Arrow Electronics", Supplier Part Number=212520-1006
J2: "Board Connector, 4 Contact(s), 2 Row(s), Female, Straight, 0.1 inch Pitch, Solder Terminal, Black Insulator, Receptacle", Dielectric Withstanding Voltage (AC)=750V, Flammability Rating="UL94 V-0", Insulation Color=Green, Insulation Resistance=5GR, Manufacturer="TE Connectivity", Manufacturer Part Number=215307-4, Max Operating Temperature=125°C, Min Operating Temperature=-65°C, Supplier Part Number=98K6517, Body Breadth=0.199inch, Body Depth=0.276inch, Body/Shell Style=RECEPTACLE, Category="Headers and Wire Housings", ComponentLink1Description=https://www.te.com:443/usa-en/product-215307-4.html?src-supplier=IHS+Markit, ComponentLink1URL=https://www.te.com:443/usa-en/product-215307-4.html?src-supplier=IHS+Markit, ComponentLink2Description=https://datasheet.ciiva.com/30070/2153074-30070134.pdf?src-supplier=Onlinecomponents.com, ComponentLink2URL=https://datasheet.ciiva.com/30070/2153074-30070134.pdf?src-supplier=Onlinecomponents.com, ComponentLink3Description=https://datasheet.ciiva.com/11748/0900766b804f4b20-11748752.pdf?src-supplier=Rs, ComponentLink3URL=https://datasheet.ciiva.com/11748/0900766b804f4b20-11748752.pdf?src-supplier=Rs, ComponentLink4Description=https://datasheet.ciiva.com/29369/001094904-da-01-en-buchsenleiste-2-reihig-0-0215307-4-29369976.pdf?src-supplier=Conrad, ComponentLink4URL=https://datasheet.ciiva.com/29369/001094904-da-01-en-buchsenleiste-2-reihig-0-0215307-4-29369976.pdf?src-supplier=Conrad, ComponentLink5Description=https://datasheet.ciiva.com/6857/eng-cd-215307-d-basefilename-6857485.pdf?src-supplier=Digikey, ComponentLink5URL=https://datasheet.ciiva.com/6857/eng-cd-215307-d-basefilename-6857485.pdf?src-supplier=Digikey, Connector Type="BOARD CONNECTOR", Contact Finish - Mating="NOT SPECIFIED", Contact Finish - Termination="Tin (Sn)", Contact Gender=Female, Contact Material=Bronze, Contact Pattern=RECTANGULAR, Contact Style="BELLOWED TYPE", DIN Conformance=No, Filter Feature=No, IEC Conformance=No, Insulation Material=Glass, JESD-609 Code=e3, Mating Contact Pitch=0.1inch, Mating Contact Row Spacing=0.1inch, MIL Conformance=No, Mixed Contacts=No, Mounting Style=STRAIGHT, Mounting Technology=Board, Number Of Connectors=1, Number of Contacts=8, Number Of PCB Rows=2, Number of Rows Loaded=2, Option="General Purpose", PCB Contact Pattern=RECTANGULAR, PCB Contact Row Spacing=2.54mm, Plating Thickness=31uin, Pricing="1=0.863, 10=0.776, 25=0.761, 50=0.746, 100=0.731 (USD)", Reach SVHC Compliant=Yes, Reference Standard=UL, Reliability=COMMERCIAL, RoHS=Yes, RoHS Compliant=Yes, Stock=250, Supplier=Avnet, Terminal Length=0.118inch, Terminal Pitch=2.54mm, Termination=Solder
J4: library part "HEAD 2.54mm 3pos", "Board Connector, 38 Contact(s), 1 Row(s), Male, Straight, 0.1 inch Pitch, Solder Terminal, Black Insulator", Insulation Color=Black, Manufacturer=Samtec, Manufacturer Part Number=TS-103-T-A, Manufacturer Series=TS, Max Operating Temperature=105°C, Min Operating Temperature=-55°C, Supplier Part Number=SAM1112-03-ND, Body Breadth=0.1inch, Body Length=0.3inch, Category=Connectors, ComponentLink1Description=https://datasheet.ciiva.com:443/pdfs/VipMasterIC/IC/SAMI/SAMI-S-A0001504555/SAMI-S-A0001504555-1.pdf?src-supplier=IHS+Markit, ComponentLink1URL=https://datasheet.ciiva.com:443/pdfs/VipMasterIC/IC/SAMI/SAMI-S-A0001504555/SAMI-S-A0001504555-1.pdf?src-supplier=IHS+Markit, ComponentLink2Description=https://datasheet.ciiva.com/410/tx-1xx-x-x-mkt1-410199.pdf?src-supplier=Digikey, ComponentLink2URL=https://datasheet.ciiva.com/410/tx-1xx-x-x-mkt1-410199.pdf?src-supplier=Digikey, Connector Type="BOARD CONNECTOR", Contact Finish - Mating="TIN OVER COPPER (100)", Contact Finish - Termination="TIN OVER COPPER (100)", Contact Gender=Male, Contact Material=Brass, Contact Pattern=RECTANGULAR, Contact Style="RND PIN-SKT", DIN Conformance=No, Filter Feature=No, IEC Conformance=No, Insulation Material=Glass, JESD-609 Code=e3, Mating Contact Pitch=0.1inch, Mating Information="MULTIPLE MATING PARTS AVAILABLE", MIL Conformance=No, Mixed Contacts=No, Mounting Style=STRAIGHT, Mounting Technology=Board, Number Of Connectors=1, Number of Contacts=38, Number Of PCB Rows=1, Number of Rows Loaded=1, Option="General Purpose", PCB Contact Pattern=RECTANGULAR, Plating Thickness=200uin, Pricing="1=0.81, 10=0.689, 100=0.5855, 500=0.5226, 1000=0.49765, 5000=0.47207 (USD)", Reach SVHC Compliant=No, Reference Standard=UL, Reliability=COMMERCIAL, RoHS=Yes, RoHS Compliant=Yes, Stock=8991, Supplier=Digikey, Terminal Length=0.156inch, Terminal Pitch=2.54mm, Termination=Solder
J5 J6 J7 J8 J10 J11 J12: library part "CON screw 2pos 2.54mm", "Barrier Strip Terminal Block, 6A, 1 Row(s), 1 Deck(s)", Current Rating=6A, Manufacturer="On-Shore Technology", Manufacturer Part Number=OSTVN02A150, Supplier Part Number=ED10561-ND, Voltage Rating=125V, Additional Feature="STANDARD: UL 94V-0, THERMOPLASTIC", Category="Terminal Blocks", ComponentLink1Description=https://datasheet.ciiva.com:443/pdfs/VipMasterIC/IC/ONST/ONSTS00240/ONSTS00114-1.pdf?src-supplier=IHS+Markit, ComponentLink1URL=https://datasheet.ciiva.com:443/pdfs/VipMasterIC/IC/ONST/ONSTS00240/ONSTS00114-1.pdf?src-supplier=IHS+Markit, ComponentLink2Description=https://datasheet.ciiva.com/823/ostvnxxa150-823935.pdf?src-supplier=Digikey, ComponentLink2URL=https://datasheet.ciiva.com/823/ostvnxxa150-823935.pdf?src-supplier=Digikey, Fastening Method=SCREW, Mounting Technology=Board, Number of Decks=1, Number of Rows=1, Number of Ways=2, Pricing="1=0.87, 10=0.64, 25=0.5576, 50=0.5028, 100=0.4549, 250=0.40308, 500=0.37178, 1000=0.34649, 5000=0.30612 (USD)", Reach SVHC Compliant=Yes, RoHS=Yes, RoHS Compliant=Yes, Safety Approval=UL,CUL, Stock=5554, Supplier=Digikey, Terminal and Terminal Block Type="BARRIER STRIP TERMINAL BLOCK", Wire/Cable Gauge=20AWG